# Altium PCB orbital-r1.PcbDoc (part 3 of 3)
Units mm, origin at the board's own origin, x right, y up, seen from the top; angles counter-clockwise.
Board outline 86.5 x 91 mm, 4 copper layers (Top Layer, Layer 1, Layer 2, Bottom Layer), stack 1.586 mm thick; 276 components, 177 nets, 792 pads, 856 vias.
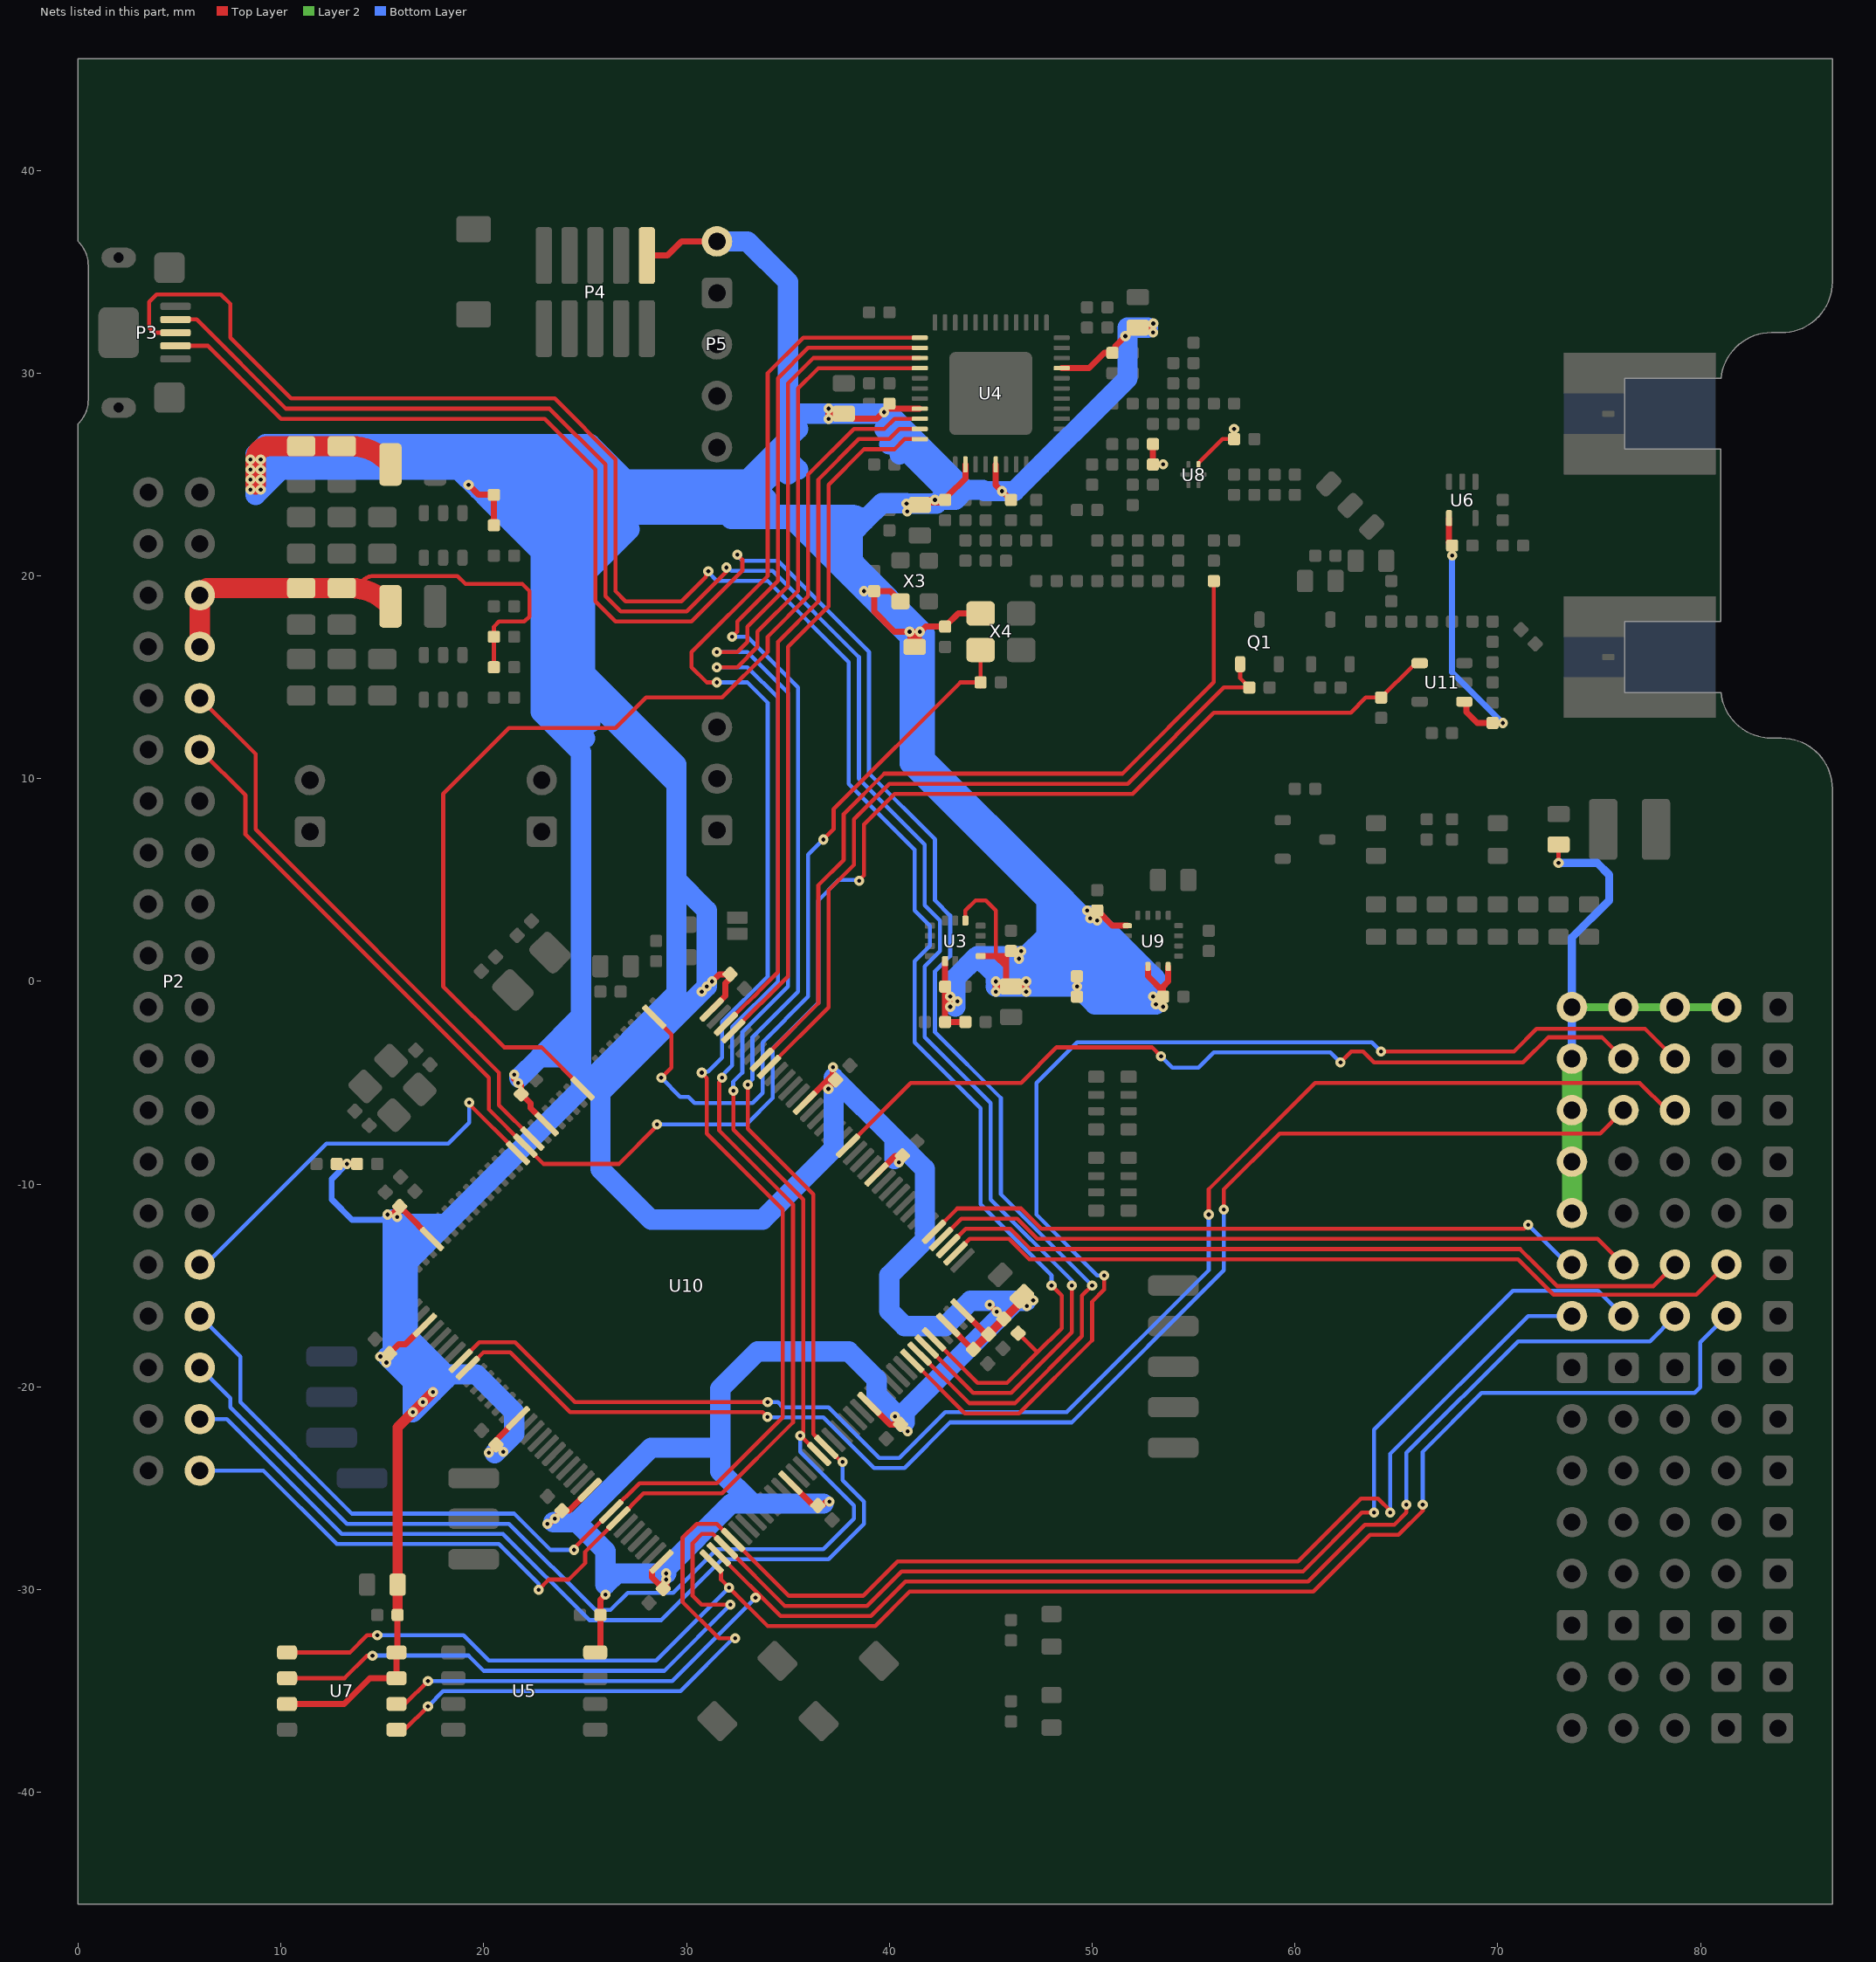
[diagram p5: the nets of this part, all layers, seen from the top]

## Via types
v1: diameter 0.5, hole 0.2, Top Layer to Bottom Layer, tented both sides, 809 vias
v2: diameter 0.7, hole 0.3, Top Layer to Bottom Layer, 40 vias
v3: diameter 1.152, hole 1.152, Top Layer to Bottom Layer, 4 vias
v4: diameter 3, hole 3, Top Layer to Bottom Layer, 3 vias

## Nets (pads, with @x,y where several pads share a name; then routed paths per layer and width w, separated by ;. In a path a pad name is that pad's centre, name@x,y a point inside that pad or via, vN(x,y) a via of type N, cw(c..) or ccw(c..) an arc to the next point about the centre after c; other vN are vias at no path point) (continued)
RADF-SCL: P2.39 U4.28 U10.66 | length 100.1
  Top Layer w0.2: v1(22.7,-30) 23.2,-29.5 24.2,-29.5 25,-28.7 25,-28.132 U10.66@26.641,-26.49 27.882,-25.25 31.75,-25.25 35.25,-21.75 35.25,-11 31.61,-7.36 31.61,-4.971 31.75,-4.831 v1(31.75,-4.75) ; v1(31.5,15.5) 32.5,15.5 33.5,16.5 33.5,17.25 35.5,19.25 35.5,29.25 36.5,30.25 U4.28@41.5,30.25
  Bottom Layer w0.2: P2.39@6,-24.13 9.13,-24.13 12.75,-27.75 20.75,-27.75 22.7,-29.7 v1(22.7,-30) ; v1(31.5,15.5) 33,15.5 34.5,14 34.5,0 32.25,-2.25 32.25,-4.142 31.885,-4.507 31.885,-4.534 31.75,-4.669 v1(31.75,-4.75)
RADF-SI: P2.37 U4.26 U10.89 | length 109.1
  Top Layer w0.2: v1(32.25,17) 32.5,17.25 32.5,17.75 34.5,19.75 34.5,29.75 36,31.25 U4.26@41.5,31.25 ; v1(33.017,-5.089) 33.017,-7.267 36.25,-10.5 36.25,-22.311 U10.89@36.894,-22.955 37.639,-23.7 v1(37.7,-23.7)
  Bottom Layer w0.2: P2.37@6,-21.59 7.34,-21.59 13,-27.25 20.95,-27.25 25.2,-31.5 28.75,-31.5 31.75,-28.5 37,-28.5 38.75,-26.75 38.75,-25.65 37.7,-24.6 v1(37.7,-23.7) ; v1(32.25,17) 33,17 35.5,14.5 35.5,-0.5 33.25,-2.75 33.25,-4.822 33.017,-5.055 v1(33.017,-5.089)
RADF-SLE: P2.33 U4.25 U10.65 | length 104.7
  Top Layer w0.2: v1(24.458,-28.037) 24.463,-28.037 24.5,-28 24.5,-27.925 U10.65@26.288,-26.137 27.675,-24.75 31.5,-24.75 34.75,-21.5 34.75,-11.25 31,-7.5 31,-4.767 30.75,-4.517 v1(30.75,-4.5) ; v1(31.5,14.75) 31,14.75 30.25,15.5 30.25,16.25 34,20 34,30 35.75,31.75 U4.25@41.5,31.75
  Bottom Layer w0.2: P2.33@6,-16.51 8,-18.51 8,-20.75 13.5,-26.25 21.5,-26.25 23.287,-28.037 v1(24.458,-28.037) ; v1(30.75,-4.5) 30.807,-4.443 31.057,-4.443 31.75,-3.75 31.75,-2 34,0.25 34,13.75 33,14.75 v1(31.5,14.75)
RADF-SO: P2.35 U4.27 U10.88 | length 111.7
  Top Layer w0.2: v1(31.5,16.25) 32.5,16.25 33,16.75 33,17.5 35,19.5 35,29.5 36.25,30.75 U4.27@41.5,30.75 ; v1(32.311,-5.399) 32.311,-7.311 35.75,-10.75 35.75,-22.25 v1(35.6,-22.4) 35.632,-22.4 U10.88@36.541,-23.309
  Bottom Layer w0.2: P2.35@6,-19.05 7.5,-20.55 7.5,-21 13.25,-26.75 21.25,-26.75 25.5,-31 26.25,-31 27.092,-30.158 29.342,-30.158 31.5,-28 36.75,-28 38.25,-26.5 38.25,-25.85 35.6,-23.2 v1(35.6,-22.4) ; v1(31.5,16.25) 33,16.25 35,14.25 35,-0.25 32.75,-2.5 32.75,-4.5 32.3,-4.95 32.3,-5.387 v1(32.311,-5.399)
RADF-SYNCWORD: U4.33 U10.12 | length 53.6
  Top Layer w0.2: U10.12@24.873,-5.277 22.846,-3.25 21,-3.25 18,-0.25 18,9.25 21.25,12.5 26.5,12.5 28,14 31.75,14 34,16.25 34,17 36,19 36,25 38.25,27.25 39.75,27.25 40.25,27.75 U4.33@41.5,27.75
RADF-TRCLK: U4.35 U10.141 | length 34.3
  Top Layer w0.2: U10.141@32.298,-2.449 35,0.253 35,16.5 37,18.5 37,24.5 38.75,26.25 40.25,26.25 40.75,26.75 U4.35@41.5,26.75
RADF-TRDATA: U4.34 U10.142 | length 35.2
  Top Layer w0.2: U10.142@31.666,-2.374 33.006,-1.034 33.021,-1.034 33.534,-0.521 33.534,-0.506 34.5,0.46 34.5,16.75 36.5,18.75 36.5,24.75 38.5,26.75 40,26.75 40.5,27.25 U4.34@41.5,27.25
RADM-ONOFF: R37.1 U10.2 X4.1 | length 36.4
  Top Layer w0.2: U10.2@28.409,-1.742 28.409,-1.773 29.25,-2.614 29.25,-4.25 v1(28.75,-4.75) ; v1(36.75,7) 37.25,7.5 37.25,8.5 43.5,14.75 R37.1@44.5,14.75 ; R37.1@44.5,14.555 R37.1@44.5,14.75 ; X4.1@44.5,16.35 R37.1@44.5,14.75
  Bottom Layer w0.2: v1(28.75,-4.75) 29.689,-5.689 30.088,-5.689 30.398,-6 33.25,-6 33.75,-5.5 33.75,-3 36,-0.75 36,6.25 v1(36.75,7)
RADPA-PWRCTL: Q1.1 R26.1 U10.136 | length 37.5
  Top Layer w0.2: U10.136@34.066,-4.217 37,-1.282 37,4.5 38.25,5.75 38.25,8 40,9.75 51.75,9.75 56.5,14.5 R26.1@57.75,14.5 57.3,14.95 Q1.1@57.3,15.65
RADSW-CTL: R28.1 U10.137 | length 39.7
  Top Layer w0.2: U10.137@33.712,-3.863 36.5,-1.075 36.5,4.75 37.75,6 37.75,8.25 39.75,10.25 51.492,10.25 56,14.758 R28.1@56,19.75
RBUS-INT0: P2.31 U10.21 | length 20.7
  Top Layer w0.2: v1(19.276,-5.974) 19.25,-6 19.25,-6.018 U10.21@21.692,-8.459
  Bottom Layer w0.2: P2.31@6,-13.97 6.28,-13.97 12.25,-8 18.25,-8 19.276,-6.974 v1(19.276,-5.974)
SPI2-MISO: T57.1 U7.2 U10.75 | length 85.6
  Top Layer w0.2: U7.2@10.3,-34.365 13.135,-34.365 14.236,-33.264 v1(14.514,-33.264) ; v1(32.161,-30.739) 30.739,-30.739 30.3,-30.3 30.3,-27.7 30.75,-27.25 31.29,-27.25 U10.75@31.945,-27.905 34.84,-30.8 38.9,-30.8 40.6,-29.1 60.4,-29.1 63.3,-26.2 v1(63.9,-26.2)
  Bottom Layer w0.2: v1(14.514,-33.264) 14.514,-33.25 19.25,-33.25 20,-34 28.9,-34 v1(32.161,-30.739) ; v1(63.9,-26.2) 63.9,-22.1 70.75,-15.25 74.94,-15.25 T57.1@76.2,-16.51
SPI2-MOSI: T41.1 U7.5 U10.76 | length 78.8
  Top Layer w0.2: U7.5@15.7,-36.905 16.095,-36.905 v1(17.25,-35.75) ; v1(32.4,-32.4) 31.6,-32.4 29.8,-30.6 29.8,-27.45 30.5,-26.75 31.497,-26.75 U10.76@32.298,-27.551 35.047,-30.3 38.7,-30.3 40.4,-28.6 60.15,-28.6 63.25,-25.5 64.1,-25.5 64.75,-26.15 v1(64.7,-26.2)
  Bottom Layer w0.2: v1(17.25,-35.75) 18,-35 29.7,-35 32.3,-32.4 v1(32.4,-32.4) ; v1(64.7,-26.2) 64.7,-23.3 71.5,-16.5 73.65,-16.5 T41.1@73.66,-16.51
SPI2-NCS: T62.1 U7.1 U10.73 | length 85.1
  Top Layer w0.2: U7.1@10.3,-33.095 13.405,-33.095 14.25,-32.25 v1(14.75,-32.25) ; U10.73@31.237,-28.612 31.7,-29.074 31.7,-29.5 v1(32.1,-29.9) 34,-31.8 39.3,-31.8 41,-30.1 60.9,-30.1 63.7,-27.3 65.1,-27.3 66.3,-26.1 v1(66.3,-25.8)
  Bottom Layer w0.2: v1(14.75,-32.25) 19,-32.25 20.25,-33.5 28.5,-33.5 v1(32.1,-29.9) ; v1(66.3,-25.8) 66.3,-23.2 69.2,-20.3 79.7,-20.3 79.99,-20.01 79.99,-17.8 T62.1@81.28,-16.51
SPI2-SCK: T58.1 U7.6 U10.74 | length 76.1
  Top Layer w0.2: U7.6@15.7,-35.635 16.115,-35.635 v1(17.25,-34.5) ; U10.74@31.591,-28.258 34.633,-31.3 39.1,-31.3 40.8,-29.6 60.65,-29.6 63.45,-26.8 64.9,-26.8 65.5,-26.2 v1(65.5,-25.8)
  Bottom Layer w0.2: v1(17.25,-34.5) 29.3,-34.5 v1(33.4,-30.4) ; v1(65.5,-25.8) 65.5,-23.25 71,-17.75 77.5,-17.75 T58.1@78.74,-16.51
SPI3-MISO: T3.1 U10.112 | length 35
  Top Layer w0.2: U10.112@42.551,-12.702 43.553,-11.7 46.3,-11.7 47.3,-12.7 74.93,-12.7 T3.1@76.2,-13.97
SPI3-MOSI: T2.1 U10.113 | length 33.3
  Top Layer w0.2: U10.113@42.198,-12.348 43.346,-11.2 46.5,-11.2 47.5,-12.2 71.3,-12.2 v1(71.5,-12)
  Bottom Layer w0.2: v1(71.5,-12) 73.47,-13.97 T2.1@73.66,-13.97
SPI3-NCS: T5.1 U10.110 | length 40.1
  Top Layer w0.2: U10.110@43.258,-13.409 43.967,-12.7 45.9,-12.7 46.9,-13.7 71,-13.7 72.753,-15.453 79.797,-15.453 T5.1@81.28,-13.97
SPI3-SCK: T4.1 U10.111 | length 37.8
  Top Layer w0.2: U10.111@42.905,-13.055 43.76,-12.2 45.1,-12.2 45.966,-12.2 46.966,-13.2 71.1,-13.2 71.8,-13.9 72.928,-15.028 77.682,-15.028 T4.1@78.74,-13.97
STACK-BUS-GOOD: P2.9 U10.19 | length 28.5
  Top Layer w0.2: P2.9@6,13.97 8.75,11.22 8.75,7.5 20.75,-4.5 20.75,-5.75 20.75,-6.104 U10.19@22.399,-7.752
STACK-PA-EN: P2.11 R39.1 U10.20 U11.4 | length 86.8
  Top Layer w0.2: P2.11@6,11.43 8.25,9.18 8.25,7.25 20.25,-4.75 20.25,-6.311 U10.20@22.045,-8.106 22.939,-9 26.667,-9 28.55,-7.117 v1(28.55,-7.05) ; v1(38.519,4.965) 38.519,5.001 38.75,5.232 38.75,7.75 40.25,9.25 52,9.25 56,13.25 62.75,13.25 63.5,14 R39.1@64.25,14 65.815,15.565 66.015,15.565 U11.4@66.15,15.7
  Bottom Layer w0.2: v1(28.55,-7.05) 32.95,-7.05 34.25,-5.75 34.25,-3.302 36.5,-1.052 36.5,4 37.5,5 38.484,5 v1(38.519,4.965)
STACK-V3V3: C45.2 C46.2 L2.1 P2.5 P2.7 R18.2 R21.1 | length 26.2
  Top Layer w0.2: 14,19.75 cw(c14.604,19.146) 14.604,20 18.7,20 19.1,19.6 21.9,19.6 22.25,19.25 22.25,18 22,17.75 20.75,17.75 20.5,17.5 R21.1@20.5,17 R18.2@20.5,15.5
  Top Layer w1: P2.7@6,16.51 P2.5@6,19.05 6.35,19.4 C45.2@13,19.4 13.448,19.4 cw(c13.448,16.86) 15.244,18.656 L2.1@15.4,18.5
UART1-RX: T15.1 U10.125 | length 42.6
  Top Layer w0.2: U10.125@37.955,-8.106 41.061,-5 46.5,-5 48.25,-3.25 52.95,-3.25 v1(53.4,-3.7) ; v1(62.25,-4) 62.25,-3.972 62.472,-3.75 62.772,-3.45 63.359,-3.45 63.909,-4 71.25,-4 72.493,-2.757 75.147,-2.757 T15.1@76.2,-3.81
  Bottom Layer w0.2: v1(53.4,-3.7) 53.95,-4.25 55.25,-4.25 56,-3.5 61.75,-3.5 v1(62.25,-4)
UART1-TX: T13.1 U10.101 | length 59.5
  Top Layer w0.2: U10.101@41.137,-18.712 43.725,-21.3 46.4,-21.3 50,-17.7 50,-15.8 50.6,-15.2 v1(50.6,-14.5) ; v1(64.25,-3.45) 70.8,-3.45 71.919,-2.331 77.261,-2.331 T13.1@78.74,-3.81
  Bottom Layer w0.2: v1(50.6,-14.5) 50.25,-14.5 47.25,-11.5 47.25,-5 49.25,-3 63.8,-3 v1(64.25,-3.45)
UART3-RX: T24.1 U10.45 | length 69.3
  Top Layer w0.2: U10.45@19.217,-19.066 19.982,-18.3 21.3,-18.3 24.25,-21.25 33.75,-21.25 v1(33.986,-21.486) ; v1(56.5,-11.25) 56.5,-10.25 59.25,-7.5 75.05,-7.5 T24.1@76.2,-6.35
  Bottom Layer w0.2: v1(33.986,-21.486) 34,-21.5 36.75,-21.5 39.25,-24 40.75,-24 43,-21.75 49,-21.75 56.5,-14.25 v1(56.5,-11.25)
UART3-TX: T22.1 U10.44 | length 73.2
  Top Layer w0.2: U10.44@18.863,-18.712 19.775,-17.8 21.55,-17.8 24.5,-20.75 33.5,-20.75 v1(34,-20.75) ; v1(55.75,-11.5) 55.75,-10.25 61,-5 77,-5 78.35,-6.35 T22.1@78.74,-6.35
  Bottom Layer w0.2: v1(34,-20.75) 34.5,-20.75 34.75,-21 37,-21 39.5,-23.5 40.5,-23.5 42.75,-21.25 48.75,-21.25 55.75,-14.25 v1(55.75,-11.5)
USB-DM: P3.2 U10.103 | length 93.9
  Top Layer w0.2: P3.2@4.8,32.65 5.85,32.65 10.25,28.25 23.25,28.25 26,25.5 26,19 26.75,18.25 30,18.25 31.96,20.21 v1(31.96,20.413) ; U10.103@41.844,-18.005 44.139,-20.3 46,-20.3 49,-17.3 v1(49,-15)
  Bottom Layer w0.2: v1(31.96,20.413) 32.042,20.413 32.204,20.25 34.25,20.25 38.5,16 38.5,10 41.75,6.75 41.75,3.75 42.5,3 42.5,1.5 41.75,0.75 41.75,-2.75 45,-6 45,-10.75 49,-14.75 v1(49,-15)
USB-DP: P3.3 R6.2 U10.104 | length 98.4
  Top Layer w0.2: P3.3@4.8,32 3.75,32 3.5,32.25 3.5,33.512 3.87,33.882 7.037,33.882 7.5,33.419 7.5,31.75 10.5,28.75 23.5,28.75 26.5,25.75 26.5,19.25 27,18.75 29.75,18.75 30.959,19.959 30.959,20.03 31.072,20.143 v1(31.072,20.224) ; U10.104@42.198,-17.652 44.346,-19.8 45.8,-19.8 47.3,-18.3 ; R6.2@46.354,-17.354 47.3,-18.3 ; v1(48,-15) 48.5,-15.5 48.5,-17.1 47.3,-18.3
  Bottom Layer w0.2: v1(31.072,20.224) 31.072,20.178 31.5,19.75 34,19.75 38,15.75 38,9.75 41.25,6.5 41.25,3.5 42,2.75 42,1.75 41.25,1 41.25,-3 44.5,-6.25 44.5,-11 48,-14.5 v1(48,-15)
USB-ID: P3.4 U10.102 | length 97.4
  Top Layer w0.2: P3.4@4.8,31.35 6.4,31.35 10,27.75 23,27.75 25.5,25.25 25.5,18.75 26.5,17.75 30.25,17.75 32.75,20.25 32.75,20.8 v1(32.5,21.05) ; U10.102@41.49,-18.359 43.932,-20.8 46.2,-20.8 49.5,-17.5 49.5,-15.5 v1(50,-15)
  Bottom Layer w0.2: v1(32.5,21.05) 32.5,21.017 32.767,20.75 34.5,20.75 39,16.25 39,10.25 42.25,7 42.25,4 43,3.25 43,1.25 42.25,0.5 42.25,-2.5 45.5,-5.75 45.5,-10.5 v1(50,-15)
V3V3: C4.2 C5.2 C12.2 C14.2 C15.2 C16.1 C17.2 C18.1 C23.2 C25.2 C29.2 C30.2 C31.2 C32.2 C33.2 C34.2 C35.2 C36.2 C37.2 C38.2 C39.2 C40.2 C41.2 C49.2 C53.2 C55.2 C58.2 C59.1 C60.2 C61.2 C62.2 C63.2 C64.2 C66.2 C68.2 C76.2 C77.2 C80.2 L1.1 L6.2 P4.1 P5.1 R1.2 R6.1 R7.1 R8.1 R13.1 R14.1 R15.1 R16.1 R20.1 R35.2 T10.1 T17.1 T26.1 T61.1 T74.1 T76.1 T78.1 T80.1 U3.5 U3.8 U3.12 U4.9 U4.32 U4.40 U4.43 U5.8 U6.4 U7.3 U7.7 U7.8 U8.1 U9.2 U9.4 U9.13 U10.17 U10.33 U10.39 U10.52 U10.62 U10.72 U10.84 U10.95 U10.106 U10.108 U10.121 U10.131 U10.144 U11.1 X3.4 X4.4 | length 735.5
  Top Layer w0.2: U3.12@43.75,3 43.75,3.5 44.25,4 44.75,4 45.25,3.5 45.25,1.25 ; U8.1@55.25,25.5 55.25,25.565 56.435,26.75 C58.2@57,26.75 ; v1(73,5.85) R35.2@73,6.75
  Top Layer w0.3: U7.3@10.3,-35.635 13.115,-35.635 14.385,-34.365 U7.7@15.7,-34.365 U7.8@15.7,-33.095 15.75,-33.045 C18.1@15.75,-31.25 ; R15.1@12.75,-9 v1(13.25,-9) R16.1@13.75,-9 ; v1(15.25,-11.5) 15.457,-11.5 v1@15.46,-11.498 ; C36.2@15.354,-18.354 15.807,-17.9 16.14,-17.9 U10.39@17.095,-16.945 ; v1(15.738,-11.617) 15.742,-11.612 15.742,-11.498 v1@15.46,-11.498 ; C30.2@15.854,-11.104 v1@15.46,-11.498 ; 16.104,-11.354 16.104,-11.357 U10.33@17.449,-12.702 ; v1(19.25,24.5) 19.75,24 R20.1@20.5,24 R1.2@20.5,22.5 ; v1(20.25,-23.25) 20.604,-22.896 C37.2@20.604,-22.854 ; v1(20.957,-23.207) C37.2@20.604,-22.854 ; v1(21.5,-4.6) 21.5,-4.8 v1(21.7,-5) 21.846,-5.146 C29.2@21.846,-5.554 22.3,-6.007 22.3,-6.239 U10.17@23.106,-7.045 ; U10.52@21.691,-21.541 20.604,-22.629 C37.2@20.604,-22.854 ; v1(23.132,-26.755) 23.202,-26.755 C31.2@23.854,-26.104 24.2,-26.104 U10.62@25.227,-25.076 ; U5.8@25.5,-33.095 25.75,-32.845 C16.1@25.75,-31.25 25.75,-30.5 v1(26,-30.25) ; P4.1@28.04,35.8 29.05,35.8 29.75,36.5 P5.1@31.5,36.5 ; U10.72@28.763,-28.612 28.3,-29.074 28.3,-29.4 28.846,-29.946 C38.2@28.854,-29.946 ; C38.2@28.854,-29.954 C38.2@28.854,-29.946 ; v1(29,-29.2) v1(29,-29.5) ; v1(30.75,-0.5) v1(31.25,0) 31.604,0.354 C32.2@32.146,0.354 32.146,0.146 31.916,-0.084 31.916,-0.71 U10.144@31.237,-1.388 ; U10.84@35.127,-24.723 C39.2@36.204,-25.8 ; U10.131@35.834,-5.984 37.213,-4.605 37.213,-4.237 v1(37.223,-4.226) ; C39.2@36.471,-25.851 36.683,-25.851 36.835,-25.699 37.011,-25.699 v1(37.049,-25.661) ; v1(36.994,-5.3) 36.994,-5.253 37.346,-4.901 C33.2@37.346,-4.854 C33.2@37.164,-4.854 ; v1(37,27.75) v1(37,28.25) 37.25,28 C60.2@37.75,28 38,27.75 39.39,27.75 C55.2@40,28.36 ; U10.95@39.016,-20.834 40.028,-21.846 C40.2@40.554,-21.846 40.28,-21.572 v1(40.28,-21.461) ; U10.121@39.369,-9.52 40.286,-8.604 C34.2@40.646,-8.604 ; X3.4@40.55,18.75 40.05,19.25 C49.2@39.25,19.25 39.25,18.25 40.25,17.25 v1(41,17.25) ; C40.2@40.561,-21.854 v1(40.904,-22.196) ; 41.25,17 C76.2@41.25,16.5 ; C62.2@41.5,23.5 41.625,23.625 42.625,23.625 C25.2@42.75,23.75 ; U4.32@41.5,28.25 C55.2@40.25,28.25 ; C76.2@41.65,16.75 41.612,16.712 C76.2@41.462,16.712 ; C62.2@41.75,23.75 v1(42.25,23.75) C25.2@42.75,23.75 ; U3.5@42.75,1 C15.2@42.75,-0.25 42.75,-1 ; U10.106@42.905,-16.945 44.107,-18.146 C41.2@44.146,-18.146 ; v1(43.356,-0.974) 42.776,-0.974 42.75,-1 ; U10.108@43.612,-16.237 44.771,-17.396 C35.2@44.896,-17.396 ; R13.1@43.75,-2 R14.1@42.75,-2 42.75,-1 ; U4.40@43.75,25.5 43.75,24.813 42.9,23.963 42.9,23.9 C25.2@42.75,23.75 ; U3.8@44.5,1.25 45.25,1.25 ; X4.4@44.5,18.15 43.4,18.15 C77.2@42.75,17.5 41.804,17.5 41.554,17.25 v1(41.5,17.25) ; v1(44.946,-15.946) v1@45.289,-16.289 ; v1(45.25,-0.5) v1(45.25,0) 45.5,-0.25 C68.2@46,-0.25 ; U4.43@45.25,25.5 45.25,24.484 v1(45.55,24.184) 45.566,24.184 C23.2@46,23.75 ; v1(45.296,-16.296) R6.1@45.639,-16.639 ; C14.2@46,1.5 C14.2@45.75,1.25 ; C63.2@46.53,-15.763 C63.2@46.53,-15.53 ; C63.2@46.537,-15.77 46.56,-15.77 46.778,-15.988 v1(46.778,-16.007) ; v1(46.75,-0.5) v1(46.75,0) 46.5,-0.25 C68.2@46,-0.25 ; C63.2@46.807,-15.507 47.034,-15.734 v1(47.093,-15.734) ; U4.9@48.5,30.25 49.85,30.25 50.6,31 C53.2@51,31 51.15,31.15 51.15,31.339 v1(51.637,31.827) 51.677,31.827 52.1,32.25 C61.2@52.25,32.25 52.766,32.25 v1(53.004,32.012) 53.017,32.024 v1(53.017,32.452) ; C66.2@50.25,3.5 51,2.75 U9.13@51.737,2.75 ; U9.2@52.75,0.737 52.75,0.25 C12.2@53.5,-0.5 ; C59.1@53,25.5 L6.2@53,26.5 ; U9.4@53.75,0.737 53.75,0 53.5,-0.25 C12.2@53.5,-0.5 ; U6.4@67.6,22.85 67.6,22.556 67.6,21.826 67.6,21.65 C17.2@67.75,21.5 ; U11.1@68.35,13.8 68.357,13.8 68.457,13.7 68.457,13.293 69,12.75 C80.2@69.75,12.75 ; C38.2@28.854,-29.946 28.854,-29.646 v1(29,-29.5) ; C38.2@28.854,-29.946 29,-29.8 v1(29,-29.5) ; C55.2@40,28.36 C55.2@40,28.5 C55.2@40.25,28.25 ; C55.2@40,28.36 40,28.25 C55.2@40.25,28.25 ; v1(41,17.25) 41.038,17.212 41.038,16.712 C76.2@41.25,16.5 ; v1(41,17.25) v1(41.5,17.25) ; C76.2@41.25,16.5 C76.2@41.462,16.712 ; C76.2@41.462,16.712 41.462,17.212 v1(41.5,17.25) ; 45.25,1.25 45.75,0.75 ; 45.25,1.25 C14.2@45.75,1.25 ; 45.75,0.75 C14.2@45.75,1.25 ; 45.75,0.75 45.75,0 C68.2@46,-0.25 ; C12.2@53.5,-0.5 C12.2@53.5,-0.75 C12.2@53.5,-0.5
  Top Layer w0.4: C41.2@44.146,-18.146 R6.1@45.646,-16.646 C63.2@46.53,-15.763
  Top Layer w0.5: C18.1@15.75,-31.25 15.75,-29.25 15.75,-22 v1(16.5,-21.25) v1(17,-20.75) v1(17.5,-20.25)
  Top Layer w1: 8.75,24.5 8.75,25.75 cw(c9.4,25.75) 9.4,26.4 C5.2@11,26.4 C4.2@13,26.4 13.448,26.4 cw(c13.448,23.86) 15.244,25.656 L1.1@15.4,25.5
  Layer 2 w0.4: T74.1@73.66,-1.27 T76.1@76.2,-1.27 T78.1@78.74,-1.27 T80.1@81.28,-1.27
  Layer 2 w1: T61.1@73.66,-11.43 T10.1@73.66,-8.89 T26.1@73.66,-6.35 T17.1@73.66,-3.81
  Bottom Layer w0.3: v1(13.25,-9) 12.5,-9.75 12.5,-10.75 13.5,-11.75 15,-11.75 v1(15.25,-11.5) ; v1(67.75,21) 67.75,15.25 v1(70.25,12.75)
  Bottom Layer w0.4: v1(73,5.85) 74.9,5.85 75.5,5.25 75.5,4 73.66,2.16 T74.1@73.66,-1.27 ; T26.1@73.66,-6.35 T17.1@73.66,-3.81 T74.1@73.66,-1.27 ; T80.1@81.28,-1.27 T78.1@78.74,-1.27 T76.1@76.2,-1.27 T74.1@73.66,-1.27
  Bottom Layer w1: v1(9,25.25) 10,25.25 ; 20.542,-23.266 21.5,-22.309 21.5,-21.25 19.625,-19.375 18.125,-19.375 ; 21.75,-4.75 22.75,-3.75 ; v1@23.444,-26.673 24.577,-26.673 ; 25,12 23.5,13.5 23.5,21.425 ; 25.25,12.75 24.25,13.75 24.25,21.425 ; v1@28.988,-28.963 32.201,-25.75 33.25,-25.75 ; v1(29,-29.2) 26.55,-29.2 26,-29.75 26,-28.096 24.577,-26.673 ; P5.1@31.5,36.5 33,36.5 35,34.5 35,28 ; 34,23.75 33.5,24.25 ; 35,25 34.75,25.25 34.5,25.25 ; 35.5,25.25 35,25.75 ; 35.5,27.25 35,26.75 ; 36.75,-25.75 33.25,-25.75 ; 39.75,27.25 40.25,26.75 ; 40,26.5 40.25,26.75 ; 40.25,-8.75 40.25,-7.75 ; 40.5,26 40.75,26.25 ; 43.25,-1.25 43.25,0.163 44.337,1.25 ; 45.25,-0.25 v1(49.25,-0.25) ; v1(45.25,0) 45.25,0.337 ; 46.75,-15.75 46.25,-15.75 ; 49.5,2.25 48.5,3.25 ; 50,2.5 49.5,3 49.5,3.25 ; 52.75,32.25 51.75,32.25 51.75,29.75 46.184,24.184 v1(45.55,24.184) 44.683,24.184 44.617,24.25 43.75,24.25 ; 8.75,25.5 v1(9,25.75) 9.25,26 ; 8.75,25.5 8.75,26 9.25,26.5 25.25,26.5 27,24.75 ; 8.75,25.5 8.75,24 v1(9,24.25) 10,25.25 ; 9.25,26 10,25.25 ; 9.25,26 24.5,26 25.25,25.25 ; 10,25.25 18.75,25.25 ; 15.5,-18.25 15.5,-13.25 ; 15.5,-18.25 15.75,-18 ; 15.5,-18.25 15.25,-18.5 16.5,-19.75 ; 15.5,-13.25 15.5,-11.75 15.7,-11.95 17,-11.95 ; 15.5,-13.25 15.7,-13.25 17,-11.95 ; 15.75,-18 17.5,-19.75 v1(17.5,-20.25) ; 15.75,-18 16.25,-17.5 ; 16.25,-17.5 18.125,-19.375 ; 16.25,-17.5 16.25,-13.85 18.15,-11.95 ; 16.5,-19.75 v1(16.5,-21.25) v1(17.5,-20.25) ; 16.5,-19.75 17,-20.25 v1(17.5,-20.25) ; 17,-11.95 18.15,-11.95 ; v1(17.5,-20.25) 18.125,-19.625 18.125,-19.375 ; 18.15,-11.95 24.8,-5.3 ; 18.75,25.25 19.75,24.25 ; 18.75,25.25 25.25,25.25 ; 19.75,24.25 20.25,23.75 ; 19.75,24.25 20.125,24.625 25.875,24.625 ; 20.25,23.75 20.975,23.025 ; 20.25,23.75 32.8,23.75 33.525,23.025 ; 20.975,23.025 21.7,22.3 ; 20.975,23.025 31.975,23.025 ; 21.7,22.3 27.2,22.3 26.325,21.425 ; 21.7,22.3 22.8,21.2 ; 22.75,-3.75 24.8,-1.7 ; 22.75,-3.75 24.05,-3.75 ; 22.8,21.2 23.025,21.425 23.5,21.425 ; 22.8,21.2 22.8,13.3 24.8,11.3 24.8,-1.7 ; 23.5,21.425 24.25,21.425 ; 24.05,-3.75 24.8,-3 ; 24.05,-3.75 24.8,-4.5 ; 24.25,21.425 25,21.425 ; 24.577,-26.673 28.25,-23 31.664,-23 ; 24.8,-5.3 24.8,-4.5 ; 24.8,-5.3 29.5,-0.6 29.5,5 ; 24.8,-4.5 24.8,-3 ; 24.8,-3 24.8,-1.7 ; 25,15.2 25,14.25 29.5,9.75 ; 25,15.2 29.5,10.7 29.5,9.75 ; 25,15.2 25,20.1 ; 25,20.1 25,21.425 ; 25,20.1 26.325,21.425 ; 25,21.425 26.325,21.425 ; 25.25,25.25 25.875,24.625 ; 25.875,24.625 26.25,24.25 27.5,24.25 ; 27,24.75 27.5,24.25 ; 27,24.75 33,24.75 35,26.75 ; 27.5,24.25 33.5,24.25 ; 29.5,5 29.5,9.75 ; 29.5,5 31,3.5 v1(31,-0.25) 25.75,-5.5 25.75,-9.25 28.25,-11.75 33.75,-11.75 37.25,-8.25 37.25,-4.75 40.25,-7.75 ; 31.664,-23 31.664,-20.086 33.5,-18.25 38,-18.25 39.375,-19.625 39.375,-20.375 40.75,-21.75 40.75,-21.25 46.25,-15.75 ; 31.664,-23 31.664,-24.164 33.25,-25.75 ; 31.975,23.025 33.525,23.025 ; 31.975,23.025 32.2,22.8 33.75,22.8 ; 33.5,24.25 34.5,25.25 ; 33.525,23.025 38.051,23.025 cw(c38.051,22.001) 38.775,22.725 ; 33.525,23.025 33.75,22.8 ; 33.75,22.8 35.2,22.8 36,22 ; 34.5,25.25 35,25.75 ; 35,25.75 35,26.75 ; 35,26.75 35,28 ; 35,28 40,28 43.75,24.25 ; 36,22 cw(c36.362,21.638) 36.362,22.15 37.5,22.15 ; 36,22 36.75,21.25 ; 36.75,21.25 36.993,21.25 cw(c36.993,19.543) 37.609,21.135 ; 36.75,21.25 38.2,19.8 ; 37.5,22.15 37.5,21.398 ccw(c37.871,21.398) 37.609,21.135 ; 37.5,22.15 38.2,22.15 ; 37.609,21.135 cw(c36.993,19.543) 38.2,20.75 ; 38.2,19.8 38.2,20.75 ; 38.2,19.8 v1(38.75,19.25) 41,17 41,11.75 ; 38.2,20.75 38.2,22.15 ; 38.2,20.75 38.3,20.65 38.3,20.606 41.75,17.156 41.75,11 ; 38.2,22.15 38.775,22.725 ; 38.775,22.725 39.643,23.593 40.825,23.593 v1(40.848,23.57) 42.32,23.57 42.5,23.75 43.25,23.75 ; 40.25,-7.75 41.75,-9.25 41.75,-12.75 40,-14.5 40,-16.25 40.75,-17 42.75,-17 44,-15.75 46.25,-15.75 ; 40.25,26.75 40.75,26.25 ; 40.75,26.25 43.25,23.75 ; 41,11.75 41.75,11 ; 41,11.75 41,10.75 47.75,4 ; 41.75,11 48,4.75 ; 43.25,23.75 43.75,24.25 ; 44.337,1.25 46.75,1.25 ; 44.337,1.25 45.25,0.337 ; 45.25,0.337 48.663,0.337 ; 46.75,1.25 47.75,2.25 47.75,4 ; 46.75,1.25 47.75,1.25 ; 47.75,1.25 50.75,1.25 ; 47.75,1.25 48.5,2 ; 47.75,4 47.75,4.5 48,4.75 ; 47.75,4 48.5,3.25 ; 48,4.75 49.5,3.25 ; 48.5,2 50,2 50.75,1.25 ; 48.5,2 48.5,3.25 ; 48.5,3.25 49.5,3.25 ; 48.663,0.337 52.337,0.337 52.625,0.625 ; 48.663,0.337 v1(49.25,-0.25) ; v1(49.25,-0.25) 52.787,-0.25 53.143,0.107 ; v1(49.25,-0.25) 50.136,-1.136 v1(53.143,-1.136) 53.143,0.107 ; 49.5,3.25 50,3.25 v1(50.25,3) 52,1.25 ; 50.75,1.25 52,1.25 ; 52,1.25 52.625,0.625 ; 52.625,0.625 53.143,0.107
  other v1: 23.5,-26.5 15.2,-18.8 14.9,-18.5 40.476,-8.932 43,-1.25 53.5,-1.25 43,-0.75 53,-0.75 46.386,1.118 46.5,1.5 49.898,3.11 49.75,3.5 40.889,23.177 8.5,24.25 8.5,24.75 9,24.75 8.5,25.25 53.5,25.5 8.5,25.75 57,27.25 39.745,28.078
pads on no net: P2.19 P2.21 P2.23 P4.4 P4.7 U1.5 U3.9 U3.10 U3.11 U4.13 U4.14 U4.15 U4.16 U4.17 U4.18 U4.20 U4.21 U4.23 U4.30 U4.38 U6.1 U6.5 U9.3 U9.5 U9.6 U9.7 U9.14 U10.3 U10.4 U10.5 U10.14 U10.15 U10.18 U10.48 U10.49 U10.50 U10.53 U10.54 U10.87 U10.90 U10.93 U10.96 U10.132 U12.5
copper on no net: | length 16
  Top Layer w0.2: 69.5,35 71.5,35 71.5,37 69.5,37 69.5,35
  Bottom Layer w0.2: 69.5,35 71.5,35 71.5,37 69.5,37 69.5,35

## Polygon pours and split planes (outlines as drawn)
GND on Bottom Layer "NONET_L-01_P-001" (solid, pour order 27): 0,38 86.5,38 86.5,34.5 cw(c84,34.5) 84,32 83.5,32 ccw(c83.5,29.5) 81,29.5 81,14.5 ccw(c83.5,14.5) 83.5,12 83.96,12 cw(c83.96,9.46) 86.5,9.46 86.5,-38 0,-38
V3V3 on Bottom Layer "NONET_L-01_P-001" (solid, pour order 20): 63.5,-1 63.5,16.75 67.75,21 67.75,15.25 70.625,12.375 65,6.75 65,-1
V3V3 on Bottom Layer "NONET_L-01_P-001" (solid, pour order 19): 46,12.5 58.75,-0.25 73.66,-0.25 73.66,-1.75 66.5,-1.75 66.25,-1.5 51.75,-1.5 51.75,0.5 46,6.25
V3V3 on Bottom Layer "NONET_L-01_P-001" (solid, pour order 17): 53.25,32.75 57.25,28.75 57.25,26 56.25,25 52.5,25 51.25,26.25 48.5,26.25 51.75,29.5 51.75,32.75
V3V3 on Bottom Layer "NONET_L-01_P-001" (solid, pour order 16): 38,24.25 46.184,24.25 46.184,6.316 41.5,11 41.5,17.75 38,21.25
GPIO-VIN on Bottom Layer "NONET_L-01_P-001" (solid, pour order 12): 6.25,32.75 6.25,23 8.75,21.25 8.75,25.25 12.75,27.5 22.75,37.5 52.75,37.5 62.25,28 64.25,28 67,25.75 67,28.75 57,38.75 18,38.75 12.25,33
V3V3 on Bottom Layer "NONET_L-01_P-001" (solid, pour order 6): 22.75,-6.25 18,-11 14.5,-11 14.5,-18.5 14.5,-20.688 21.185,-27.5 25.404,-27.5 26,-28.096 26,-28.923 26.327,-29.25 28.75,-29.25 28.75,-29 32.5,-25.25 32.5,-20 34.25,-18.25 38.25,-18.25 39.375,-19.375 39.375,-20.125 40.5,-21.25 45.75,-16 45.75,-15.75 43.75,-15.75 43.25,-16.25 41.5,-16.25 41.25,-16 41.25,-14.327 42.5,-13.077 42.5,-9.25 37.35,-4.1 37.25,-4.2 37.25,-7.5 33.75,-11 29,-11 26.75,-8.75 26.75,-4.25
V3V3 on Bottom Layer "NONET_L-01_P-001" (solid, pour order 11): 32.25,36 33.75,34.5 33.75,23.25 34,23 39.05,23 39.8,23.75 43.25,23.75 43.25,24.75 40.75,27.25 40.75,33.75 37.5,37 32.25,37
V3V3 on Bottom Layer "NONET_L-01_P-001" (solid, pour order 10): 26.612,21.712 36.462,21.712 37.25,22.5 36.25,23.5 26.75,23.5
V3V3 on Bottom Layer "NONET_L-01_P-001" (solid, pour order 9): 26.25,21.25 26.25,19.25 29,16.5 29,13.75 30,12.75 30,10 29.5,10 24.5,15 24.5,20.75
V3V3 on Bottom Layer "NONET_L-01_P-001" (solid, pour order 8): 25,6.75 21.475,3.225 21.475,-8.525 25,-5
V3V3 on Bottom Layer "NONET_L-01_P-001" (solid, pour order 7): 24.75,13.75 24.75,-4.25 25.5,-5 26,-5 31,0 31,3.5 29.5,5 29.5,10.25 25.5,14.25
GND on Top Layer "NONET_L-01_P-001" (solid, pour order 25): 0,38 86.5,38 86.5,34.5 cw(c84,34.5) 84,32 83.5,32 ccw(c83.5,29.5) 81,29.5 81,14.5 ccw(c83.5,14.5) 83.5,12 83.96,12 cw(c83.96,9.46) 86.5,9.46 86.5,-38 0,-38
GND on Layer 1 "NONET_L-01_P-001" (solid, pour order 22): 76.148,14.5 76.148,17.5 cw(c76.5,17.5) 76.5,17.852 81,17.852 81,26.148 76.5,26.148 cw(c76.5,26.5) 76.148,26.5 76.148,29.5 cw(c76.5,29.5) 76.5,29.852 81,29.852 81.025,29.851 cw(c83.5,29.5) 83.5,32 84,32 ccw(c84,34.5) 86.5,34.5 86.5,45.5 0,45.5 0,-45.5 86.5,-45.5 86.5,9.46 ccw(c83.96,9.46) 83.96,12 83.5,12 cw(c83.5,14.5) 81.025,14.149 81,14.148 76.5,14.148 cw(c76.5,14.5)
GND on Layer 2 "NONET_L-01_P-001" (solid, pour order 28): 76.148,14.5 76.148,17.5 cw(c76.5,17.5) 76.5,17.852 81,17.852 81,26.148 76.5,26.148 cw(c76.5,26.5) 76.148,26.5 76.148,29.5 cw(c76.5,29.5) 76.5,29.852 81,29.852 81.025,29.851 cw(c83.5,29.5) 83.5,32 84,32 ccw(c84,34.5) 86.5,34.5 86.5,45.5 0,45.5 0,-45.5 86.5,-45.5 86.5,9.46 ccw(c83.96,9.46) 83.96,12 83.5,12 cw(c83.5,14.5) 81.025,14.149 81,14.148 76.5,14.148 cw(c76.5,14.5)

## Keep-outs
Top Layer:
  region: 44.25,18.25 44.25,16.25 46.75,16.25 46.75,18.25
  region: 42,20.75 40.5,20.75 40.5,18.75 42,18.75
  region: 15.21,-6.46 16.71,-4.96 15.375,-3.625 13.875,-5.125
  region: 22.25,-0.561 23.311,0.5 22.25,1.561 21.189,0.5
  region: 64,20.25 64,21.25 63.5,21.25 63.5,20.25
  region: 77,6.25 77,8.75 76,8.75 76,6.25
  region: 17,24.75 17,26.25 16,26.25 16,24.75
  region: 17,17.75 17,19.25 16,19.25 16,17.75
  rectangle: 42.5,1.5 44,2.5
  rectangle: 52.25,1.25 53.75,2.75
  lines w0.5: 47.25,19.75 54.25,19.75 ; 55,28.5 69.225,28.5 72.275,28 73,28 ; 55.4,25 61.175,25 61.667,24.538 ; 64,22.25 64.75,21.5 64.75,17.75 70.75,17.75 72.5,16
Layer 1:
  rectangle: 73.25,27.25 76.25,28.75
  rectangle: 73.25,15.25 76.25,16.75

## Other copper
Top Layer:
  text "aaaa" at 9.766,31.266 h1.5 r315
  text "a" at 19,26.419 h1.5
  text "a" at 22,25.919 h1.5
  text "a" at 19.75,25.419 h1.5
  text "a" at 20.75,25.169 h1.5
  text "a" at 23,25.169 h1.5
  text "a" at 24.25,24.419 h1.5
  text "a" at 22.669,20.75 h1.5 r270
  text "a" at 23.419,19.75 h1.5 r270
  text "a" at 22.919,18.5 h1.5 r270
  text "a" at 23.919,17.75 h1.5 r270
  text "TCS 2023" at 46,6.15 h1.5
  text "misaka wa / misaka" at 28.916,-20 h1.5 r90
  text "hi" at 11.679,-26.321 h1.5 r315
Layer 1:
  text "Places to see, places to be" at 85.75,44.5 h1.5 r180
  text "This is probably a secret message" at 55.75,-44.5 h1.5
Layer 2:
  text "i looked into a pcb and found god" at 86,-42.226 h2.5
  text "- rin shima" at 58.5,-44.476 h2.5
Bottom Layer:
  text "TCS 2023" at 21,27.5 h1.5
  text "2023 TCS+ZxS" at 52.25,-25.5 h1.5
  text "Yume Research" at 52.25,-26.75 h1.5
  text "& Friends" at 52.25,-27.75 h1.5
  text "Yume.works" at 52.25,-29 h1.5
  text "传" at 46.598,-30.949 h2.2
  text "数" at 48.5,-31.049 h2.2
  text "代" at 50.5,-31.073 h2.2
  text "时" at 52.2,-31.115 h2.2
  text "permanent cultures" at 0.625,-37.275 h1.5 r270
  text "Technology for" at 1.875,-37.5 h1.5 r270

## Silkscreen, mask and mechanical layers (free items; w line width, h text height)
Top Overlay:
  drawing of 200 lines, arcs and shapes, not listed
  text "Front" at 56.75,35.869 h2.5
  text "3" at 33.252,35.819 h2.5
  text "MCU" at 14.388,35.309 h2.5
  text "RADIO!" at 41.888,34.059 h2.5
  text "Label" at 56.752,33.769 h2.5
  text "Reset" at 12.134,33.319 h2.5
  text "G" at 33.252,33.269 h2.5
  text "C" at 33.252,30.729 h2.5
  text "USB" at 6.5,30.309 h2.5
  text "Cortex" at 22.252,28.559 h2.5
  text "FS" at 6.5,28.309 h2.5
  text "D" at 33.252,28.189 h2.5
  text "Debug" at 22.252,26.729 h2.5
  text "R" at 33.252,25.649 h2.5
  text "SWD" at 30.502,23.309 h2.5
  text "SYS" at 24.752,22.809 h2.5
  text "Rx" at 80.691,22.492 h2.5 r90
  text "PA" at 65.911,21.169 h2.5 r45
  text "PWR" at 24.752,20.809 h2.5
  text "Tx" at 80.691,19.458 h2.5 r90
  text "MOOK" at 47.832,16.559 h2.5
  text "BUS" at 24.752,15.809 h2.5
  text "I2C2" at 30.502,14.309 h2.5
  text "PWR" at 24.752,13.809 h2.5
  text "SCL" at 33.252,11.809 h2.5
  text "SDA" at 33.252,9.309 h2.5
  text "VIN" at 13.252,8.809 h2.5
  text "RTC" at 24.752,8.809 h2.5
  text "BYPASS" at 13.252,6.809 h2.5
  text "BAT" at 24.752,6.809 h2.5
  text "GND" at 33.252,6.809 h2.5
  text "y" at 41.825,6.396 h2
  text "A" at 65.202,5.409 h2.5
  text "B" at 71.302,5.409 h2.5
  text "C!" at 79.552,5.409 h2.5
  text "x" at 45.675,4.944 h2
  text "z" at 41.25,4.194 h2
  text "LED" at 59.742,3.309 h2.5
  text "GND" at 84.538,2.331 h2.6 r90
  text "IMU" at 37.946,1.319 h2.5
  text "MAG" at 47.624,1.309 h2.5
  text "D7" at 60.744,1.309 h2.5
  text "DO" at 75.752,1.309 h2.5
  text "3V3" at 64.42,-1.978 h2.6
  text "Rx" at 63.849,-4.445 h2.3
  text "Tx" at 66.359,-4.445 h2.3
  text "UART1" at 55.042,-4.491 h2.5
  text "GND" at 70.568,-6.686 h2.6 r90
  text "Rx" at 63.849,-6.985 h2.3
  text "Tx" at 66.359,-6.985 h2.3
  text "UART3" at 55.095,-7.031 h2.5
  text "3V3" at 62.938,-7.97 h2.6 r90
  text "SDA" at 65.661,-9.608 h2.6
  text "I2C1" at 56.208,-10.851 h2.5
  text "SCL" at 65.661,-12.148 h2.6
  text "SPI3" at 56.072,-14.661 h2.5
  text "A8" at 49.936,-15.692 h2.5
  text "NCS" at 70.568,-16.849 h2.6 r90
  text "CLK" at 68.028,-16.884 h2.6 r90
  text "SPI2" at 56.049,-17.201 h2.5
  text "MOSI" at 62.948,-17.423 h2.6 r90
  text "MISO" at 65.488,-17.44 h2.6 r90
  text "C9" at 50.005,-17.691 h2.5
  text "C8" at 50.008,-19.692 h2.5
  text "GND" at 64.434,-19.768 h2.6
  text "C7" at 49.987,-21.691 h2.5
  text "MCU" at 41.888,-22.089 h2.5 r45
  text "15" at 61.339,-22.217 h2.3
  text "14" at 63.902,-22.225 h2.3
  text "7" at 66.853,-22.308 h2.6
  text "6" at 69.386,-22.298 h2.6
  text "G" at 51.172,-23.691 h2.5
  text "13" at 61.343,-24.757 h2.3
  text "12" at 63.87,-24.774 h2.3
  text "5" at 66.889,-24.838 h2.6
  text "4" at 69.437,-24.848 h2.6
  text "Stackhouse connector" at 9.191,-25.248 h2.5 r90
  text "GPIO" at 56.1,-25.456 h2.5
  text "Platform" at 3.955,-27.002 h2 r270
  text "Orbital" at 5.418,-27.002 h2 r270
  text "REALOP-1" at 6.947,-27.002 h2 r270
  text "Yume Research" at 0.759,-27.026 h1.8 r270
  text "11" at 61.318,-27.305 h2.3
  text "1O" at 63.882,-27.305 h2.3
  text "PDx" at 57.171,-27.361 h2.5
  text "3" at 66.877,-27.378 h2.6
  text "2" at 69.405,-27.398 h2.6
  text "2O23 TCS+ZxS" at 2.003,-27.869 h1.8 r270
  text "8" at 64.312,-29.929 h2.6
  text "1" at 66.87,-29.928 h2.6
  text "O" at 69.435,-29.928 h2.6
  text "9" at 61.766,-29.938 h2.6
  text "FRAM" at 9.75,-31.691 h2.5
  text "NAND" at 18,-31.691 h2.5
  text "GND" at 64.434,-32.468 h2.6
  text "FAULT!" at 49.25,-32.681 h2.5
  text "BTN" at 28.212,-33.941 h2.5
  text "R1" at 3.875,-34.5 h2.6 r270
  text "4" at 64.357,-35.008 h2.6
  text "6" at 66.846,-34.998 h2.6
  text "2" at 61.785,-35.018 h2.6
  text "ADC" at 57.153,-35.616 h2.5
  text "ALL" at 49.252,-35.691 h2.5
  text "GND" at 70.568,-35.896 h2.6 r90
  text "1" at 29.321,-37.441 h2.5
  text "O" at 39.593,-37.441 h2.5
  text "PAx" at 57.171,-37.521 h2.5
  text "3" at 61.797,-37.538 h2.6
  text "5" at 64.349,-37.538 h2.6
  text "7" at 66.853,-37.548 h2.6
  text "GOOD" at 49.252,-37.691 h2.5
Bottom Overlay:
  lines w0.05: 72.75,37.25 72.75,34.75 75.25,34.75
  lines w0.075: 72.75,35.25 75.25,35.25 ; 73.25,34.75 73.25,37.25
  lines w0.1: 72.75,35.75 75.25,35.75 ; 73.75,34.75 73.75,37.25
  lines w0.125: 72.75,36.25 75.25,36.25 ; 74.25,34.75 74.25,37.25
  lines w0.15: 72.75,36.75 75.25,36.75 ; 74.75,34.75 74.75,37.25
  lines w0.175: 72.75,37.25 75.25,37.25 75.25,34.75
  lines w0.2: 20.809,9.93 21.609,9.93 ; 21.209,9.53 21.209,10.33 ; 54.864,-7.62 60.96,-7.62 ; 54.864,-5.08 60.96,-5.08 ; 54.864,-2.54 60.96,-2.54 ; 55.88,-17.78 60.96,-17.78 71.12,-17.78 71.12,-10.16 ; 55.88,-15.24 60.96,-15.24 ; 55.88,-12.7 60.96,-12.7 71.12,-12.7 ; 60.96,-35.56 68.58,-35.56 ; 60.96,-30.48 71.12,-30.48 71.12,-20.32 60.96,-20.32 ; 60.96,-27.94 71.12,-27.94 ; 60.96,-25.4 71.12,-25.4 ; 60.96,-22.86 71.12,-22.86 ; 61.087,-15.24 61.341,-15.24 ; 63.119,-15.24 63.881,-15.24 ; 63.5,-38.1 63.5,-33.02 ; 63.5,-30.48 63.5,-20.32 ; 63.5,-17.78 63.5,-2.54 71.12,-2.54 71.12,0 60.96,0 60.96,-33.02 ; 63.5,-10.16 71.12,-10.16 ; 63.5,-7.62 71.12,-7.62 71.12,-10.16 ; 63.5,-5.08 68.58,-5.08 ; 65.659,-15.24 66.421,-15.24 ; 66.04,-38.1 66.04,-33.02 ; 66.04,-30.48 66.04,-20.32 ; 66.04,-17.78 66.04,-12.7 ; 66.04,-7.62 66.04,-2.54 ; 68.199,-15.24 68.961,-15.24 ; 68.58,-38.1 68.58,-33.02 60.96,-33.02 ; 68.58,-30.48 68.58,-20.32 ; 68.58,-17.78 68.58,-12.7 ; 68.58,-7.62 68.58,-2.54 ; 70.739,-15.24 70.993,-15.24 ; 71.12,-38.1 60.96,-38.1 60.96,-33.02 ; 71.755,-38.1 71.755,0 ; 72.39,-35.56 80.01,-35.56 ; 72.39,-30.48 82.55,-30.48 82.55,-20.32 72.39,-20.32 ; 72.39,-27.94 82.55,-27.94 ; 72.39,-25.4 82.55,-25.4 ; 72.39,-22.86 82.55,-22.86 ; 72.39,-17.78 82.55,-17.78 82.55,-10.16 ; 72.39,-15.24 82.423,-15.24 ; 72.39,-12.7 82.55,-12.7 ; 74.93,-38.1 74.93,-33.02 ; 74.93,-30.48 74.93,-20.32 ; 74.93,-17.78 74.93,-2.54 82.55,-2.54 82.55,0 ; 74.93,-10.16 82.55,-10.16 ; 74.93,-7.62 82.55,-7.62 82.55,-10.16 ; 74.93,-5.08 80.01,-5.08 ; 77.47,-38.1 77.47,-33.02 ; 77.47,-30.48 77.47,-20.32 ; 77.47,-17.78 77.47,-12.7 ; 77.47,-7.62 77.47,-2.54 ; 80.01,-38.1 80.01,-33.02 72.39,-33.02 ; 80.01,-30.48 80.01,-20.32 ; 80.01,-17.78 80.01,-12.7 ; 80.01,-7.62 80.01,-2.54 ; 83.185,0 82.55,0 ; 84.455,0 85.09,0 85.09,-38.1 82.55,-38.1 72.39,-38.1 72.39,-33.02 ; 72.39,-33.02 72.39,0 82.55,0 ; 83.82,0.889 82.804,1.397 83.82,0 84.836,1.397 83.82,0.889 ; 83.82,0.889 83.82,1.778 ; 83.82,1.778 84.836,2.286 84.836,6.35 83.82,5.842 82.804,6.35 82.804,2.286 83.82,1.778 ; 2.185,-25.4 7.265,-25.4 7.265,25.4 2.185,25.4 2.185,-25.4 ; 69.25,34.75 71.75,34.75 71.75,37.25 69.25,37.25 69.25,34.75
  text "3" at 34.097,35.819 h2.5
  text "G" at 34.078,33.269 h2.5
  text "C" at 34.078,30.729 h2.5
  text "D" at 34.062,28.189 h2.5
  text "R" at 34.12,25.649 h2.5
  text "SWD" at 33.622,23.309 h2.5
  text "BAT" at 10.758,22.169 h2.5
  text "3V3 OUT" at 15.344,17.089 h2.5
  text "I2C2" at 34.714,14.309 h2.5
  text "BUS GOOD" at 16.383,13.279 h2.5
  text "SCL" at 36.436,11.809 h2.5
  text "EN" at 9.548,10.739 h2.5
  text "PA:" at 13.63,10.749 h2.5
  text "SDA" at 36.441,9.309 h2.5
  text "VIN" at 16.409,8.809 h2.5
  text "RTC" at 27.844,8.809 h2.5
  text "TMP" at 10.839,8.199 h2.5
  text "BYPASS" at 19.768,6.809 h2.5
  text "BAT" at 27.888,6.809 h2.5
  text "GND" at 36.341,6.809 h2.5
  text "DET" at 10.76,5.659 h2.5
  text "GND" at 84.538,5.543 h2.6 r90
  text "RFD-TEMP" at 16.452,3.119 h2.5
  text "3V3" at 67.66,-1.978 h2.6
  text "GND" at 70.568,-3.474 h2.6 r90
  text "Rx" at 65.691,-4.445 h2.3
  text "Tx" at 68.261,-4.445 h2.3
  text "UART1" at 60.452,-4.491 h2.5
  text "3V3" at 62.938,-4.73 h2.6 r90
  text "Rx" at 65.691,-6.985 h2.3
  text "Tx" at 68.261,-6.985 h2.3
  text "SDA" at 10.811,-7.041 h2.5
  text "I2C3:" at 17.146,-7.041 h2.5
  text "UART3" at 60.452,-7.031 h2.5
  text "SCL" at 10.806,-9.581 h2.5
  text "SDA" at 68.959,-9.608 h2.6
  text "I2C1" at 60.45,-10.851 h2.5
  text "IBUS-INTO" at 17.494,-12.121 h2.5
  text "SCL" at 68.959,-12.148 h2.6
  text "MOSI" at 62.948,-13.057 h2.6 r90
  text "MISO" at 65.488,-13.04 h2.6 r90
  text "CLK" at 68.028,-13.596 h2.6 r90
  text "NCS" at 70.568,-13.631 h2.6 r90
  text "RBUS-INTO" at 17.519,-14.661 h2.5
  text "SPI3" at 60.323,-14.661 h2.5
  text "LE" at 9.501,-17.201 h2.5
  text "RBUS:" at 15.902,-17.201 h2.5
  text "SPI2" at 60.323,-17.201 h2.5
  text "E7" at 16.49,-19.191 h2.5
  text "SO" at 9.603,-19.741 h2.5
  text "GND" at 67.646,-19.768 h2.6
  text "E8" at 16.469,-21.192 h2.5
  text "15" at 63.121,-22.217 h2.3
  text "14" at 65.638,-22.225 h2.3
  text "SI" at 9.571,-22.281 h2.5
  text "7" at 67.767,-22.308 h2.6
  text "6" at 70.314,-22.298 h2.6
  text "E9" at 16.471,-23.2 h2.5
  text "13" at 63.117,-24.757 h2.3
  text "12" at 65.67,-24.774 h2.3
  text "CL" at 9.64,-24.821 h2.5
  text "5" at 67.731,-24.838 h2.6
  text "4" at 70.263,-24.848 h2.6
  text "G" at 16.528,-25.191 h2.5
  text "GPIO" at 60.323,-25.456 h2.5
  text "11" at 63.142,-27.305 h2.3
  text "1O" at 65.658,-27.305 h2.3
  text "PDx" at 60.323,-27.361 h2.5
  text "3" at 67.743,-27.378 h2.6
  text "2" at 70.295,-27.398 h2.6
  text "8" at 65.228,-29.929 h2.6
  text "1" at 67.75,-29.928 h2.6
  text "O" at 70.265,-29.928 h2.6
  text "9" at 62.694,-29.938 h2.6
  text "GND" at 67.646,-32.468 h2.6
  text "GND" at 70.568,-32.684 h2.6 r90
  text "4" at 65.183,-35.008 h2.6
  text "6" at 67.774,-34.998 h2.6
  text "2" at 62.675,-35.018 h2.6
  text "ADC" at 60.323,-35.616 h2.5
  text "PAx" at 60.323,-37.521 h2.5
  text "3" at 62.663,-37.538 h2.6
  text "5" at 65.191,-37.538 h2.6
  text "7" at 67.767,-37.548 h2.6
Top Solder:
  lines w0.2: 69.75,35.25 71.25,35.25 71.25,36.75 69.75,36.75 69.75,35.25
  lines w0.7: 73,28 75.45,28 ; 73.25,16 75.45,16
  text "ORBITAL PLATFORM R1" at 47.5,45.5 h5 r180
  text "ORBITAL PLATFORM R1" at 0,-45.576 h5
Bottom Solder:
  lines w0.2: 69.75,35.25 71.25,35.25 71.25,36.75 69.75,36.75 69.75,35.25
  text "ORBITAL PLATFORM R1" at 0,45.5 h5 r180
  text "ORBITAL PLATFORM R1" at 47.5,-45.576 h5
Mechanical 1:
  the board outline again, w0.01